# KiCad board Dummy device.kicad_pcb
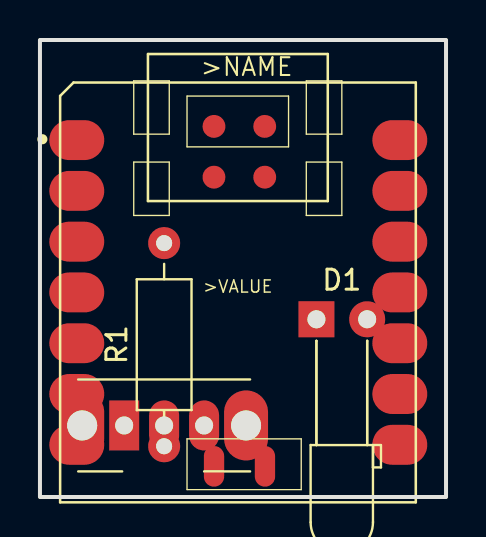
[diagram p0: board, top side]
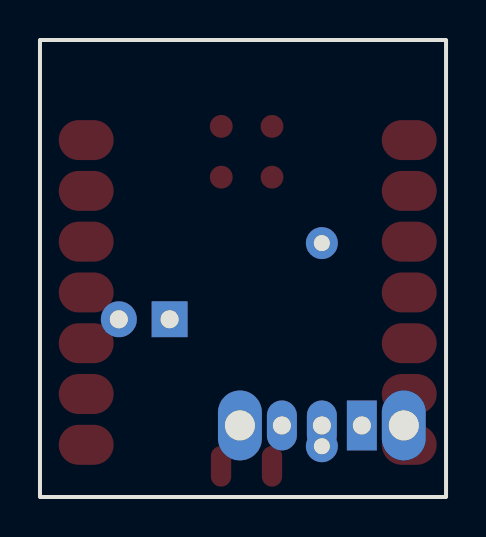
[diagram p1: board, bottom side, seen from below]

Outline 20.32 x 22.86 mm; copper layers: Top, Bottom. Coordinates in mm from the lower left corner of the outline.
Outline path: rectangle 0,22.86 20.32,0

## Placement (name value [footprint] x y rotation side)
>NAME  >VALUE  [Seeeduino XIAO-MOUDLE14P-2.54-21X17.8MM]  1.01 -0.27 0 top
D1  LED  [LED_D3.0mm_Horizontal_O6.35mm_Z10.0mm]  13.83 8.89 0 top
R1  Resistor  [R_Axial_DIN0207_L6.3mm_D2.5mm_P10.16mm_Horizontal]  6.21 2.54 90 top
SW1  Slide_Switch_SPDT_P3mm_10x5x10mm  [SW_Slide_SPDT_Angled_CK_OS102011MA1Q]  4.21 3.58 0 top

## Library data of the parts
D1 = -: Description: Common 5mm diameter LED; ki_fp_filters: LED_D5.0mm_Clear LED_D5.0mm_Horizontal_O1.27mm_Z3.0mm LED_D5.0mm_Horizontal_O3.81mm_Z3.0mm LED_D5.0mm_Horizontal_O6.35mm_Z3.0mm
R1 = -: Description: 1/4W Resistor; ki_fp_filters: Resistor_THT:R_Axial_DIN0207_L6.3mm_D2.5mm*
SW1 = -: Description: SPDT Slide Switch with 10mm length, 5mm width and 10mm hight.

## Footprints (pads in the part's own frame, mm; a bottom-side part is the same pattern mirrored in y, then rotated)
LED_D3.0mm_Horizontal_O6.35mm_Z10.0mm
  rect 1.8x1.8 hole 0.9: 1(0,0)
  round 1.8 hole 0.9: 2(2.54,0)
R_Axial_DIN0207_L6.3mm_D2.5mm_P10.16mm_Horizontal
  round 1.6 hole 0.8: 1(0,0)
  oval 1.6x1.6 hole 0.8: 2(10.16,0)
Seeeduino XIAO-MOUDLE14P-2.54-21X17.8MM
  oval 2.748x1.999 smd: 1(0.833,18.118) 2(0.833,15.578) 3(0.833,13.038) 4(0.833,10.498) 5(0.833,7.958) 6(0.833,5.418) 7(0.833,2.878) 8(16.998,2.878) 9(16.998,5.418) 10(16.998,7.958) 11(16.998,10.498) 12(16.998,13.038) 13(16.998,15.578) 14(16.998,18.118)
  oval 1.016x2.032 smd: 15(7.7,1.8) 16(10.25,1.8)
  round 1.143 smd: 17(7.699,18.804) 18(10.239,18.804) 19(7.699,16.264) 20(10.239,16.264)
SW_Slide_SPDT_Angled_CK_OS102011MA1Q
  oval 2.2x3.5 hole 1.5: (-2.1,0) (6.1,0)
  rect 1.5x2.5 hole 0.9: 1(0,0)
  oval 1.5x2.5 hole 0.9: 2(2,0) 3(4,0)

## Nets
+5V: R1.1
GND: D1.1
Net-(D1-Pad2): D1.2 R1.2
Net-(J1-Pad1): SW1.3
Net-(SW1-Pad1): SW1.1

Pads without a net: >NAME 1 2 3 4 5 6 7 8 9 10 11 12 13 14 15 16 17 18 19 20; SW1 2
